# Altium PCB MCU014B_D1.PcbDoc (part 4 of 5)
Units mil, origin at the board's own origin, x right, y up, seen from the top; angles counter-clockwise.
Board outline 2300.04 x 4058 mil, 4 copper layers (TOP, GND, PWR, BOTTOM), stack 48.84 mil thick; 371 components, 238 nets, 1148 pads, 688 vias.
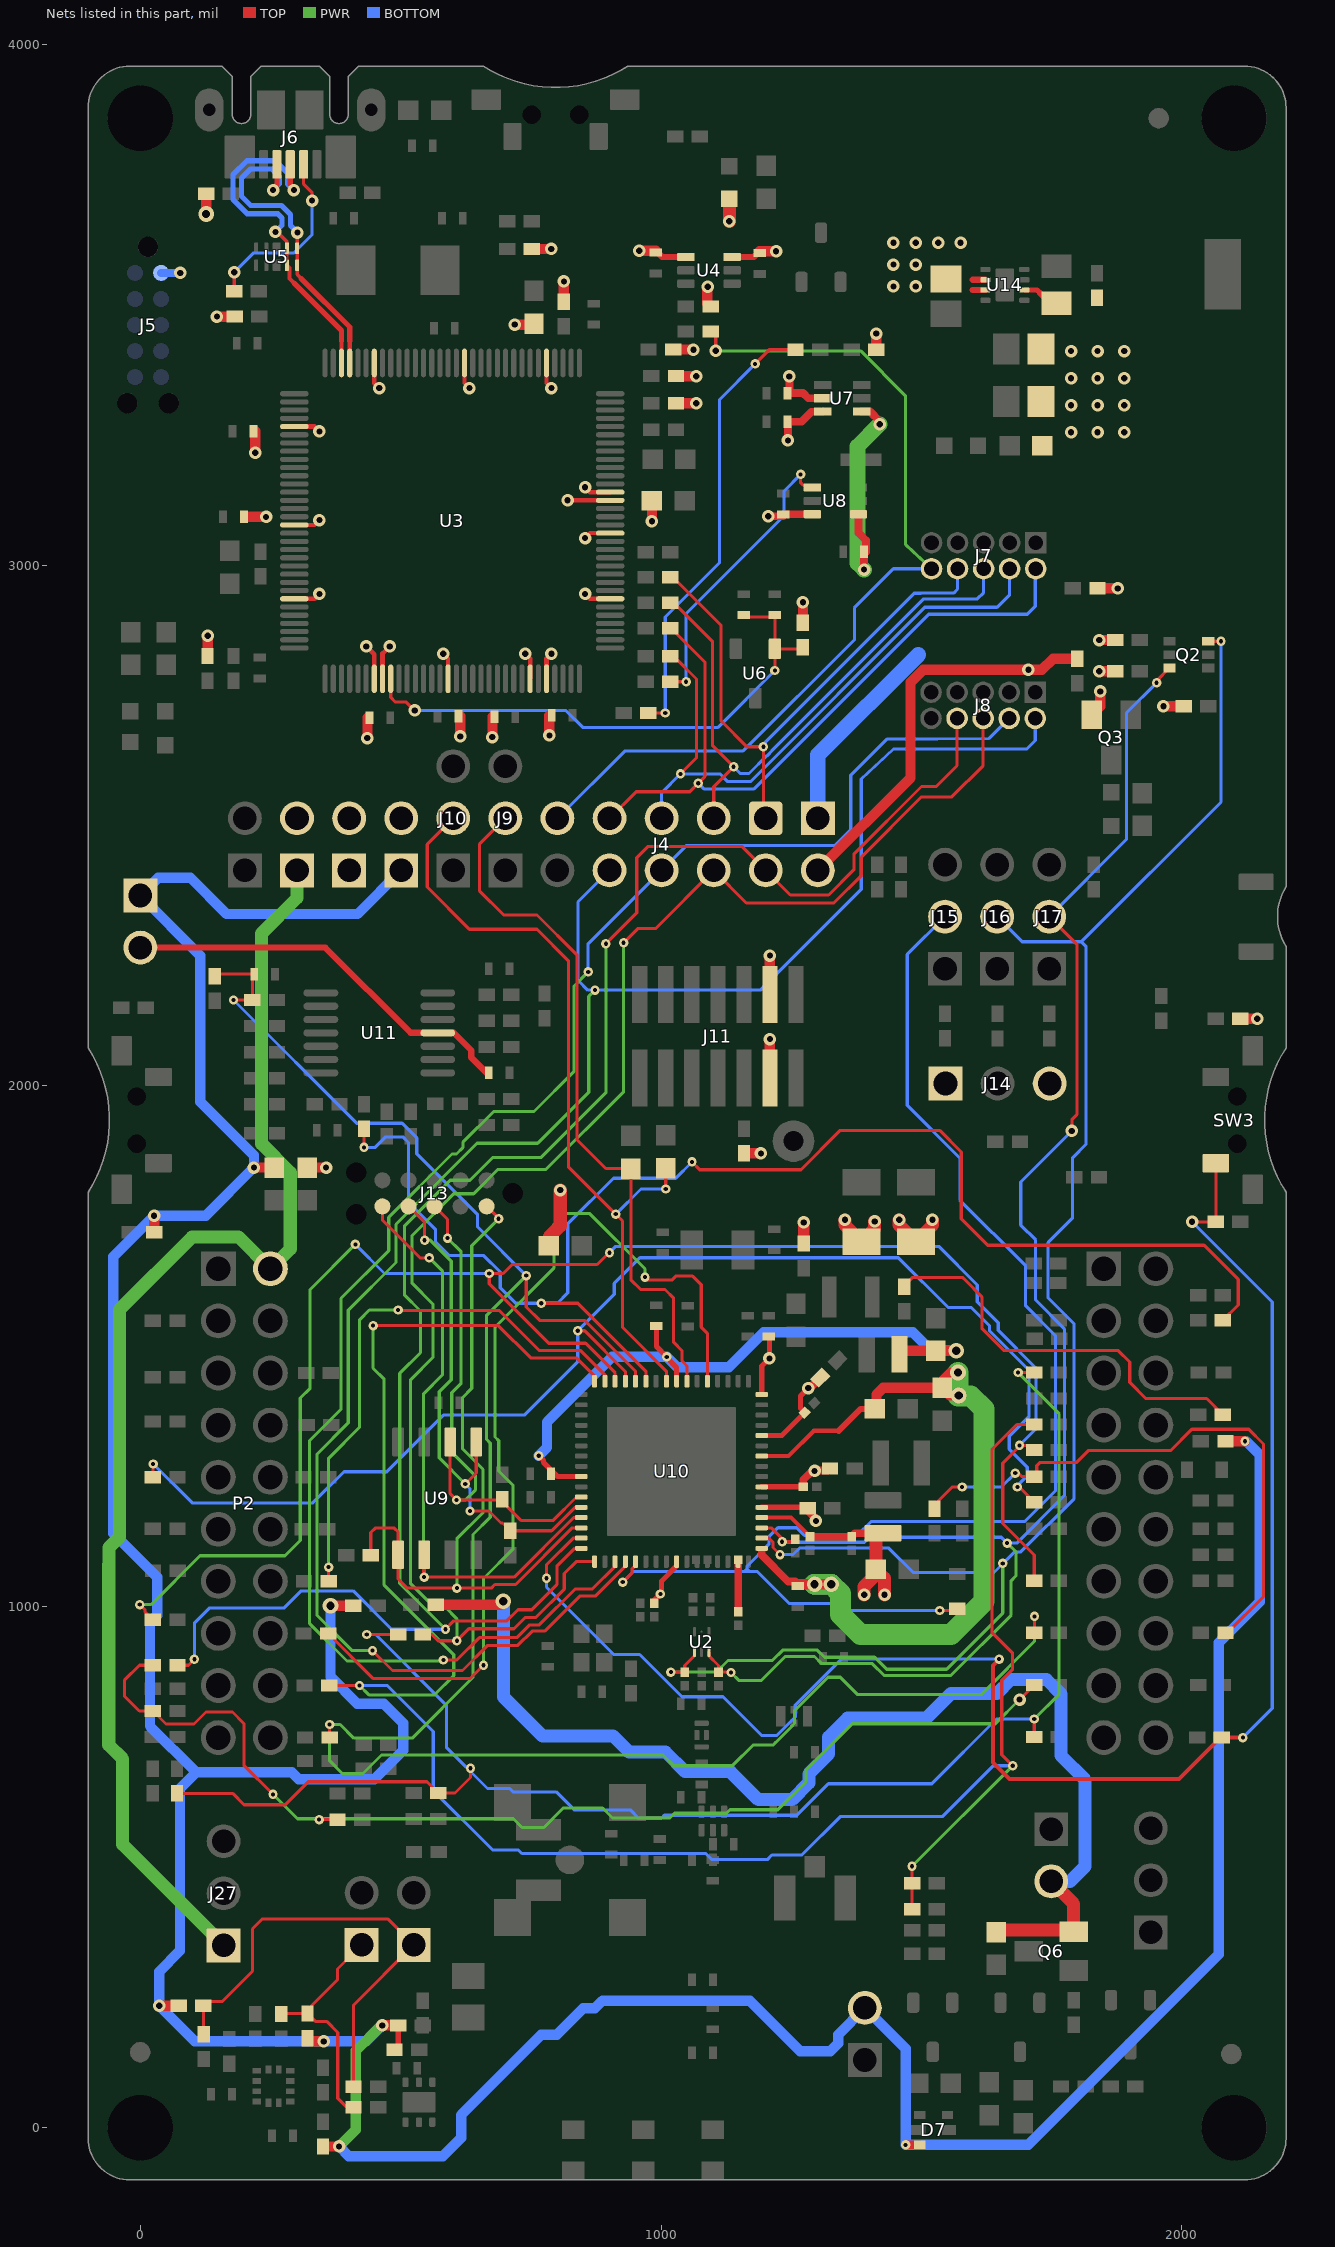
[diagram p6: the nets of this part, all layers, seen from the top]

## Via types
v1: diameter 24, hole 12, TOP to BOTTOM, tented both sides, 230 vias
v2: diameter 18, hole 8, TOP to BOTTOM, tented both sides, 218 vias
v3: diameter 20, hole 10, TOP to BOTTOM, tented both sides, 159 vias
v4: diameter 19.68, hole 7.87, TOP to BOTTOM, 32 vias
v5: diameter 20, hole 8, TOP to BOTTOM, tented both sides, 24 vias
v6: diameter 30, hole 16, TOP to BOTTOM, tented both sides, 17 vias
v7: diameter 20, hole 8, TOP to BOTTOM, tented bottom, 4 vias
v8: diameter 19.68, hole 7.87, TOP to BOTTOM, tented bottom, 4 vias

## Nets (pads, with @x,y where several pads share a name; then routed paths per layer and width w, separated by ;. In a path a pad name is that pad's centre, name@x,y a point inside that pad or via, vN(x,y) a via of type N, cw(c..) or ccw(c..) an arc to the next point about the centre after c; other vN are vias at no path point) (continued)
P15_GPIO_22: R95.2 R157.1 SW3.3 U10.15 | length 3157.5
  TOP w6: v2(780,1055) 780,1081 831.05,1132.05 U10.15@846.77,1132.05 ; v1(2019.38,1739.21) R157.1@2065.02,1739.21 SW3.3@2065.02,1851.92
  TOP w8: v2(1648.92,899.64) 1637,887.72 1637,701.43 1669.21,669.21 1994.21,669.21 2073.99,748.99 R95.2@2076.62,748.99 v2(2117,748.99)
  BOTTOM w6: v2(780,1055) 780,1037.78 909.2,908.58 958.85,908.58 1040,827.43 1118.93,827.43 1193.62,752.75 1221.64,752.75 1257.48,788.59 1257.48,811.22 1345.9,899.64 v2(1648.92,899.64) ; v1(2019.38,1739.21) 2173.35,1585.25 2173.35,805.34 v2(2117,748.99)
P16_GPIO_23: R50.2 R90.1 R108.1 R135.1 | length 2192
  TOP w6: R50.2@24.38,888 -1.31,888 -30.39,858.92 -30.39,828.81 -1.7,800.11 24.27,800.11 R108.1@24.38,800 49.38,775 103.2,775 126.2,798 177,798 199,776 199,696 v2(255,640) ; v2(343.38,591.52) R135.1@378.76,591.52 ; v1(1688.19,822.05) 1688.43,822.05 R90.1@1716.38,850
  PWR w6: v2(255,640) 301.93,593.07 716.7,593.07 733.6,576.17 774.55,576.17 812.06,613.68 887.7,613.68 906.78,594.59 1017.07,594.59 1026.15,603.67 1125.51,603.67 1132.35,610.52 1224.19,610.52 1278.19,664.52 1278.19,686.9 1366.84,775.55 1641.69,775.55 v1(1688.19,822.05)
P16_JTAG_TDI: J4.2 J8.8 R50.1 U10.16 | length 3672.8
  TOP w6: R50.1@71.62,888 92.65,888 v2(103.93,899.28) ; v2(586,957) 602,973 703.91,973 725.23,994.32 751.72,994.32 800,1042.6 800,1078 834.36,1112.36 U10.16@846.77,1112.36 ; v2(894,2273) 953.37,2332.37 953.37,2438.37 975,2460 1155,2460 J4.2@1201,2414 1248.27,2366.73 1321.73,2366.73 1370,2415 1370,2445 1500,2575 1528.24,2575 1568.24,2615 J8.8@1568.24,2705.73
  PWR w6: v2(586,957) 498.21,1044.79 498.21,1448.21 538,1488 538,1568 507,1599 507,1731 595,1819 633.14,1819 677.14,1863 770,1863 894,1987 v2(894,2273)
  BOTTOM w6: v2(103.93,899.28) 103.93,968.75 133.18,998 276.52,998 309.19,1030.67 408.69,1030.67 482.36,957 v2(586,957)
P17_GPIO_24: R54.2 R70.1 R94.1 R109.1 R142.1 | length 3026.1
  TOP w6: R109.1@70.4,641.89 177.43,641.89 199.33,620 278.43,620 322.64,664.21 550.55,664.21 R142.1@572.24,642.52 604.28,642.52 634.09,672.33 v2(634.09,690) ; v2(435,947) R54.2@495,947 ; v2(1685.45,1450) R70.1@1716.38,1450 ; R94.1@1716.38,750 v2(1716.38,784.6)
  PWR w6: v2@1685.45,1449.13 1764.17,1370.41 1764.17,832.39 v2(1716.38,784.6)
  BOTTOM w6: v2(435,947) 451.84,947 587.67,811.16 587.67,730.33 666.79,651.21 709.18,651.21 715.66,644.74 798.39,644.74 832.94,610.19 940.81,610.19 956.62,594.39 1000.84,594.39 1006.36,599.91 1260.74,599.91 1321.25,660.42 1519.8,660.42 1643.97,784.6 v2(1716.38,784.6)
P17_JTAG_TDO: J4.4 J8.6 R54.1 U10.17 | length 3077.9
  TOP w6: R54.1@542.24,947 560,947 572,935 v2(608,935) 631,958 717.48,958 739.1,979.62 759.62,979.62 814,1034 814,1064 836.77,1086.77 U10.17@872.36,1086.77 ; v2(928,2275) 955.21,2302.21 989.21,2302.21 J4.4@1101,2414 1163.64,2351.36 1331.62,2351.36 1385,2404.75 1385,2440 1500,2555 1558.24,2555 1618.24,2615 J8.6@1618.24,2705.73
  PWR w6: v2(608,935) 608,977 586,999 564.43,999 519.21,1044.22 519.21,1436.21 562,1479 562,1581 522,1621 522,1713 602,1793 640,1793 687,1840 779,1840 928,1989 v2(928,2275)
P19_JTAG_TCK: J4.6 J8.4 U10.19 | length 3325.3
  TOP w6: v2(582,898) 608,898 651,941 723.12,941 747.49,965.37 766.37,965.37 835.22,1034.21 867.82,1034.21 911.73,1078.12 U10.19@911.73,1086.77
  PWR w6: v2(582,898) 580,896 397,896 325.31,967.69 325.31,1319.31 385.34,1379.34 385.34,1592.34 477,1684 477,1747.76 598.68,1869.44 607.19,1869.44 619.49,1881.74 619.49,1891.75 678.75,1951 756,1951 833,2028 833,2192 v2(860,2219)
  BOTTOM w6: v2(860,2219) 860,2273 J4.6@1001,2414 1049,2462 1334.14,2462 1364.21,2492.07 1364.21,2596.57 1433.43,2665.79 1629.85,2667.34 J8.4@1668.28,2705.77
P20_JTAG_TMS: J4.8 J8.2 U10.20 | length 3702.6
  TOP w6: v2(446,916) 484.25,877.75 618.75,877.75 667,926 725.09,926 752.46,953.37 776.31,953.37 843.48,1020.54 873.78,1020.54 931.42,1078.18 U10.20@931.42,1086.77
  PWR w6: v2(446,916) 407,916 339.31,983.69 339.31,1293.31 399.41,1353.41 399.41,1569.41 491,1661 491,1734.42 646.58,1890 763,1890 861,1988 861,2172 v2(873,2184)
  BOTTOM w6: J4.8@901,2414 840.57,2353.57 840.57,2202.89 859.47,2184 v2(873,2184) 1190.58,2184 1384.21,2377.64 1384.21,2589.33 1446.05,2647 1701.9,2647 1718.28,2663.38 J8.2@1718.28,2705.77
P21_GPIO_25: R55.2 R75.1 R87.2 | length 1123.7
  TOP w6: R55.2@1525,1188.62 1525,1196 1559,1230 v2(1578,1230) ; v2(1679.81,1256.81) 1686.19,1256.81 1693,1250 R75.1@1716.38,1250 1721.1,1250 1721.1,1271.1 1727,1277 1797,1277 1820,1300 1978.09,1300 2019.09,1341 2128.2,1341 2156.66,1312.53 2156.66,1019.63 2087.03,950 R87.2@2083.62,950
  BOTTOM w6: v2(1578,1230) 1653,1230 v2(1679.81,1256.81)
P45_GPIO_31: R47.1 R73.2 | length 787.5
  TOP w6: R47.1@1467,1614.62 1467,1617 1482,1632 1579.39,1632 1583.98,1627.4 1615.89,1595.15 1615.89,1534.77 1658.69,1491.97 1877.78,1491.97 1899.79,1469.96 1899.79,1430.89 1930.54,1400.14 2047.48,1400.14 R73.2@2078.62,1369
P53_GPIO_30: R97.2 U10.53 | length 1830.2
  TOP w6: R97.2@360.62,949 447.52,862.1 633.1,862.1 v2(659,888) ; v2(969,1633) 974.62,1627.38 1020.38,1627.38 1028,1635 1060.53,1635 1077,1618.53 1077,1537 1088.9,1525.1 U10.53@1088.9,1433.23
  PWR w6: v2(659,888) 659,1054.57 716,1111.57 716,1233 688.21,1260.79 688.21,1318.91 681,1326.13 681,1537 794.21,1650.21 794.21,1734.21 815,1755 863,1755 969,1649 v2(969,1633)
P55_GPIO_01: J9.2 R39.1 U10.55 | length 1359.7
  TOP w6: J9.2@701,2514 651,2464 651,2375.1 697.69,2328.41 761.81,2328.41 838.21,2252.01 838.21,1897.21 893.92,1841.5 R39.1@942,1841.5 942,1628 960.63,1609.37 1007.36,1609.37 1024,1592.74 1024,1508 1040,1492 1040,1472.26 1045.84,1466.42 1045.84,1466.16 1049.53,1462.47 U10.55@1049.53,1433.23
P57_GPIO_02: J10.2 R38.1 U10.57 | length 1523.9
  TOP w5.98: 822,1845 822,2240.73
  TOP w6: J10.2@601,2514 551,2464 551,2381.98 631.96,2301.01 761.71,2301.01 822,2240.73 ; 822,1845 v2(913,1754) 926,1741 926,1536.72 1010.16,1452.56 U10.57@1010.16,1433.23 ; v2(1009,1802.32) R38.1@1009,1842.5
  BOTTOM w6: v2(913,1754) 961.32,1802.32 v2(1009,1802.32)
P59_GPIO_04: R65.2 R125.2 U10.59 | length 2739.8
  TOP w6: v2(429.54,1882.2) 429.64,1882.3 R125.2@429.64,1917.76 ; v2(770,1583) 840.12,1583 970.79,1452.33 U10.59@970.79,1433.23 ; v2(1059.21,1854.21) 1074.21,1839.21 1268.51,1839.21 1344.06,1914.76 1534.66,1914.76 1576.21,1873.21 1576.21,1745 1627,1694.21 2042.58,1694.21 2108.14,1628.66 2108.14,1579.52 R65.2@2078.62,1550
  BOTTOM w6: v2(429.54,1882.2) 451.24,1882.2 471.42,1902.38 503.93,1902.38 514.92,1891.38 514.92,1776.53 567.16,1724.28 567.16,1700.61 593.56,1674.21 659.83,1674.21 691.15,1642.89 691.15,1612.46 720.61,1583 v2(770,1583) 801.03,1583 820.79,1602.76 820.79,1735.25 908.49,1822.95 1027.95,1822.95 v2(1059.21,1854.21)
P60_GPIO_05: C71.1 R86.1 R106.2 R113.1 R114.2 U10.60 | length 4170.6
  TOP w6: R113.1@143,2210.62 147.38,2215 215.38,2215 R114.2@215.38,2165 v2(179,2165) ; R106.2@363.62,749 v2(363.62,774.21) ; v2(741.02,1636) 741.02,1575.72 766.73,1550 853.02,1550 951.1,1451.92 U10.60@951.1,1433.23 ; R86.1@1716.38,950 1716.94,950.56 v2(1716.94,981.63)
  PWR w6: v2(741.02,1636) 665,1560 665,1321.43 672,1314.43 672,1171.8 639,1138.8 639,864.73 522.15,747.88 410.21,747.88 383.88,774.21 v2(363.62,774.21) 363.62,704.26 387.74,680.14 427.73,680.14 463.09,715.51 1003.61,715.51 1024.25,694.87 1136.68,694.87 1176.37,734.56 1214.73,734.56 1220.25,740.08 1220.59,740.08 1249.7,769.19 1249.7,769.53 1256.18,776.01 1256.18,800.53 1320.52,864.87 1344.16,864.87 1377.66,831.37 1614.58,831.37 1716.94,933.73 v2(1716.94,981.63)
  BOTTOM w6: v2(179,2165) 415.48,1928.52 502.87,1928.52 530.89,1900.49 530.89,1869.8 647.85,1752.84 647.85,1729.16 v2(741.02,1636)
P61_GPIO_06: R84.1 R107.1 U10.61 | length 2525.5
  TOP w6: R84.1@24.81,1249.03 v2(24.81,1274.24) ; v2(840,1530) 853.2,1530 931.42,1451.78 U10.61@931.42,1433.23 ; v2(1684,1230) 1687.38,1230 R107.1@1716.38,1201
  BOTTOM w6: v2(24.81,1274.24) 99.52,1199.53 331.3,1199.53 391.11,1259.35 473.35,1259.35 582,1368 737.28,1368 840,1470.72 ; 840,1470.08 840,1470.72 ; v2@1685,1230 v2(1684,1230) 1684,1232.72 1703,1251.72 1703,1268.28 1668.45,1302.83 1668.45,1327.67 1706.59,1365.81 1706.59,1453.89 1630.82,1529.66 1630.82,1539.22 1595.05,1575 1550.93,1575 1455.62,1670.31 959.32,1670.31 910,1621 910,1600.01 v2(840,1530) 840,1470.72
P62_GPIO_07: R82.1 R96.1 R103.1 U10.62 | length 3326.2
  TOP w6: v2(-0.79,1004.21) 9.4,994.03 9.4,989.98 R96.1@24.38,975 ; v2(901,1680) 900,1680 877.21,1657.21 713.93,1657.21 696.72,1640 v2(670,1640) 670,1620 784,1506 855,1506 911.7,1449.3 U10.62@911.73,1433.23 ; R82.1@1716.38,1050 1716.38,1099.62 1656,1160 1656,1276 1690,1310 1707.38,1310 R103.1@1716.38,1301
  PWR w6: v2(-0.79,1004.21) 21.01,1004.21 114.8,1098 278,1098 307.31,1127.31 307.31,1400.91 326.21,1419.81 326.21,1609.21 v2(413,1696)
  BOTTOM w6: v2(413,1696) 469,1640 v2(670,1640) ; v2(901,1680) 913,1692 1533,1692 1607,1618 1607,1585.82 1647.25,1545.57 1647.25,1530.79 1719.82,1458.22 1719.82,1341.82 v2(1688,1310)
P63_GPIO_08: R93.2 U10.63 | length 1069.6
  TOP w6: R93.2@361.62,1049 v2(361.62,1076.38) ; v2(495,1570) 496,1569 689.42,1569 766.42,1492 846,1492 892.05,1445.95 U10.63@892.05,1433.23
  PWR w6: v2(361.62,1076.38) 361.62,1285.62 421.21,1345.21 421.21,1551.21 440,1570 v2(495,1570)
P64_GPIO_09: R72.1 R99.2 R168.1 R171.1 U10.64 | length 4105.4
  TOP w6: R99.2@362.62,849 v2(421,849) ; v2(447,1540) 687.43,1540 749.43,1478 837.08,1478 872.33,1442.75 U10.64@872.33,1433.23 ; R168.1@1481.81,419.21 R171.1@1481.81,469.21 v2(1481.81,502.06) ; v2(1675,695) 1654,716 1654,859 1675,880 1675,910.96 1635,950.96 1635,1302 1683,1350 R72.1@1716.38,1350
  PWR w6: v2(421,849) 439,831 565,831 602,868 602,908 468.21,1041.79 468.21,1437.21 447,1458.43 v2(447,1540) ; v2@1481.81,501.81 v2(1675,695)
  BOTTOM w6: v2(421,849) 474.16,849 562.56,760.6 562.56,647.22 676.73,533.05 726.01,533.05 732.59,526.46 1085.9,526.46 1097.73,514.64 1203.93,514.64 1212.76,523.47 1270.03,523.47 1343.74,597.18 1539.97,597.18 1637.79,695 v2(1675,695)
RF_BG: pad.2@1148.06,1090.22 R1.2 U10.31 | length 99.5
  TOP w15: R1.2@1148.06,990.76 1147.95,990.87 U10.31@1147.95,1086.77 1147.95,1090.11 pad.2@1148.06,1090.22
SENS_I2C_SCL: J19.1 R134.2 R147.1 R149.1 | length 462.3
  TOP w5.98: 379.21,111.79 379.21,56.34 396.18,39.37 R149.1@409.45,39.37
  TOP w6: R147.1@271,218.24 272,219.24 R134.2@321,219.24 ; 379.21,111.79 379.21,182.83 357.96,204.08 336.16,204.08 R134.2@321,219.24 ; J19.1@425,351 378.65,304.65 378.65,284.06 321,226.41 R134.2@321,219.24
SENS_I2C_SDA: J20.1 R133.2 R145.1 R148.1 | length 916.3
  TOP w5.98: R148.1@409.64,78.93 409.64,131.83
  TOP w6: R145.1@122,179.24 121.1,180.14 R133.2@121.1,234 129.53,242.43 157.43,242.43 215.66,300.66 215.66,381.81 234.86,401 475,401 J20.1@525,351 409.64,235.64 409.64,131.83
SFL_CLK: J13.8 R45.1 U9.6 U10.11 | length 1037.8
  TOP w6: J13.8@565,1769 590,1744 v2(590,1708) ; U9.6@595,1316.49 595,1217.4 v2(607.24,1205.16) 691.65,1205.16 R45.1@695,1201.81 ; R45.1@690.8,1210.58 R45.1@695,1206.38 R45.1@695,1201.81 ; U10.11@846.77,1210.79 837.67,1210.79 792.86,1165.98 730.83,1165.98 R45.1@695,1201.81
  PWR w6: v2(590,1708) 616,1682 616,1429 598,1411 598,1297 644,1251 644,1225 624.16,1205.16 v2(607.24,1205.16)
SFL_CS: J13.10 R44.2 U9.1 U10.14 | length 1407.8
  TOP w6: R44.2@442.62,1099 442.62,1142.62 451.11,1151.11 487.91,1151.11 495,1144.03 U9.1@495,1099.95 495,1053.62 512.62,1036 v2(608,1036) 673.8,1036 680.8,1043 720.8,1043 829.53,1151.73 U10.14@846.77,1151.73 ; J13.10@665,1769 688,1746 v2(688,1745)
  PWR w6: v2(608,1036) 608,1130.72 658,1180.72 658,1264 619,1303 619,1402 636.41,1419.41 636.41,1693.41 v2(688,1745)
SFL_DIN: J13.6 U9.2 U10.13 | length 1177.1
  TOP w6: J13.6@465,1769 465,1742.15 537.15,1670 v2(555,1670) ; v2(545,1057) 717.83,1057 832.25,1171.42 U10.13@846.77,1171.42
  TOP w8: v2(545,1057) U9.2@545,1099.95
  PWR w6: v2@544,1057 544,1409.2 580,1445.2 580,1645 v2(555,1670)
SFL_DOUT: J13.7 R46.1 U9.5 U10.12 | length 996.6
  TOP w6: J13.7@515,1769 546,1738 v2(546,1704) ; v2(624,1236) 645,1257 U9.5@645,1316.49 ; v2(633,1184) 669.53,1184 692.57,1160.96 695.57,1160.96 R46.1@710.53,1146 789.86,1146 834.96,1191.1 U10.12@846.77,1191.1
  PWR w6: v2(546,1704) 556.76,1704 597,1663.76 597,1436 574,1413 574,1286 v2(624,1236)
  BOTTOM w6: v2(624,1236) 633,1227 v2(633,1184)
SOP0: C14.1 C68.1 J17.2 Q2.3 U2.6 U10.35 | length 3307.1
  TOP w6: U2.6@1091.58,912.93 1091.58,905.99 1110.31,887.27 C14.1@1110.31,874.7 1136.91,874.7 1136.18,873.98 v2(1134.32,873.98) ; U10.35@1193.23,1151.73 1211.76,1151.73 1232.4,1131.09 v2(1232.4,1124.92) 1252.43,1124.92 C68.1@1257.24,1129.73 ; J17.2@1745.12,2325.12 1798.3,2271.94 1798.3,1945 1788.62,1935.32 v1(1788.62,1913.62) ; v2(1951.3,2774.2) 1951.3,2778.01 Q2.3@1975.9,2802.61
  PWR w6: v2(1134.32,873.98) 1149.93,858.37 1191.74,858.37 1238.04,904.67 1294.58,904.67 1308.21,891.04 1405.46,891.04 1428.41,868.09 1555.99,868.09 1671.97,984.07 1671.97,1050.23 1681.25,1059.51 1681.25,1105.49 v2(1664.35,1122.39)
  BOTTOM w6: v2@1233.76,1130.82 1240.43,1124.15 1389.96,1124.15 1399.34,1133.52 1653.22,1133.52 v2(1664.35,1122.39) 1682.78,1122.39 1774.25,1213.86 1774.25,1533.75 1719,1589 1719,1704.49 1690.55,1732.94 1690.55,1815.56 v1(1788.62,1913.62) ; J17.2@1745.12,2325.12 1893.5,2473.5 1893.5,2716.4 v2(1951.3,2774.2)
SOP1: C15.1 J16.2 Q2.6 U2.4 U10.34 | length 3602.7
  TOP w6: v2(1018.71,874.7) C15.1@1045.31,874.7 1045.31,887.27 1064.03,905.99 U2.4@1064.03,912.93 ; U10.34@1193.23,1132.05 1206.86,1132.05 1214.79,1124.12 1214.79,1113.83 v2(1228.23,1100.39) ; Q2.6@2050.7,2853.79 v2(2075.02,2853.79)
  PWR w6: v2(1018.71,874.7) 1106.13,874.7 1128.54,897.11 1213.43,897.11 1233.32,917 1299.97,917 1313.83,903.14 1409.91,903.14 1432.9,880.14 1548.25,880.14 1655.98,987.87 v2(1655.98,1083.52)
  BOTTOM w6: v2(1228.23,1100.39) 1253.22,1100.39 1265.66,1112.82 1437.09,1112.82 1483.91,1066 1639.22,1066 1678.7,1105.48 1690.76,1105.48 1792.99,1207.7 1792.99,1543.02 1743,1593 1743,1699.72 1790.15,1746.87 1790.15,1862.31 1815.61,1887.77 1815.61,2268.27 1806.99,2276.89 ; J16.2@1645.12,2325.12 1693.35,2276.89 1806.99,2276.89 ; v2(2075.02,2853.79) 2075.02,2544.92 1806.99,2276.89
SOP2: D4.2 J15.2 U10.21 | length 2681.6
  TOP w6: v2(926.27,1047.58) 944.42,1065.73 944.42,1073.35 951.1,1080.03 U10.21@951.1,1086.77 ; v2(1535,993) 1565.69,993 D4.2@1568.87,996.17
  BOTTOM w6: v2(926.27,1047.58) 946.69,1068 1159.63,1068 ; v2(1535,993) 1534.75,992.75 1355.81,992.75 1342.38,1006.18 1246.46,1006.18 1184.63,1068 1170.37,1068 ; J15.2@1545.12,2325.12 1472.69,2252.69 1472.69,1962.69 1573.54,1861.85 1573.54,1780.85 1699.8,1654.59 1699.8,1648.25 1699.84,1648.2 1699.84,1634.12 1699.8,1634.07 1699.8,1578.21 1757.28,1520.72 1757.28,1222.78 1698.5,1164 1403.21,1164 1376.59,1137.38 1275.03,1137.38 1260.49,1151.92 1224.09,1151.92 1206.89,1134.72 1206.89,1119.89 1165,1078 1165,1073.37 ; 1159.63,1068 1165,1068 ; 1159.63,1068 1165,1073.37 ; 1165,1068 1170.37,1068 ; 1165,1068 1165,1073.37 ; 1165,1073.37 1170.37,1068
VBAT_CC: C42.1 C43.1 C44.1 C45.1 C46.1 C81.1 C82.1 J11.3 J11.4 J12.2 J14.1 J24.1 Q6.2 R37.2 R40.2 R43.2 R48.2 R64.1 R166.2 U10.37 U10.39 U10.44 | length 3349.7
  TOP w10: U10.37@1193.23,1191.1 1279.78,1191.1 C42.1@1281.38,1189.5 ; U10.39@1193.23,1230.47 C44.1@1272.79,1230.47 ; U10.44@1193.23,1328.9 1231.58,1328.9 C46.1@1275.68,1373 1267.51,1381.17 1267.51,1404.91 v1(1282.74,1420.13)
  TOP w15.01: C44.1@1272.79,1230.47 1272.79,1243.72 1290.02,1260.95 v1(1294.56,1260.95) 1295.4,1261.79 1320.39,1261.79 C43.1@1324.29,1265.69 ; C42.1@1281.38,1189.5 1281.38,1184.5 1297.32,1168.55 v1(1297.32,1165.01) ; v1(1282.74,1420.13) 1285.75,1420.13 C45.1@1305.62,1440
  TOP w19.9: R64.1@321,1843.5 v1(356.7,1843.5) ; R43.2@567.01,1004 690,1004 v6(697,1011) ; R37.2@1159.21,1870.59 v1(1191.67,1870.59)
  TOP w20: J11.4@1209,2015.2 v1(1209,2090.12) ; J11.3@1209,2175.43 v1(1209,2250.35)
  TOP w22: R48.2@1274,1697.62 v1(1274,1738)
  TOP w25: R40.2@784.5,1693 784.5,1709.5 806.38,1731.38 v1(806.38,1800.18) ; v1(1353,1743) 1353,1732.91 C82.1@1385,1700.91 1410,1725.91 v1(1410,1740) ; v1(1457,1743) 1457,1732.91 C81.1@1489,1700.91 1521,1732.91 v1(1521,1743) ; R166.2@1643.9,375.72 1647.59,379.41 1789.42,379.41 Q6.2@1792.2,376.63 1792.2,429.8 J12.2@1749,473
  BOTTOM w25: v6(697,1011) 697,827.29 771.96,752.33 907.57,752.33 938.64,721.25 1008.51,721.25 1046.07,683.7 1133.01,683.7 1186.75,629.96 1251.68,629.96 1283.73,662 1283.73,679.28 1321.8,717.36 1321.8,750.17 1358.01,786.38 1509.15,786.38 1556.16,833.39 1644.74,833.39 1671.83,860.47 1739.89,860.47 1767.37,833 1767.37,714.66 1814,668.03 1814,501.67 1785.33,473 J12.2@1749,473
VBUS_USB1: C80.1 J23.2 L5.2 R8.1 R15.1 U14.2 U14.3 | length 161.1
  TOP w12: 1598.13,3528.16 U14.3@1622.6,3528.16 ; 1598.43,3547.84 U14.2@1622.6,3547.84
  TOP w20: v6(126.38,3674.04) L5.2@126.38,3713 ; R15.1@129,2825.62 129.38,2826 v1(129.38,2864.62) ; v1(147.21,3477.21) R8.1@181.59,3477.21
  other v1: 1446,3535 1489,3535 1446,3577 1489,3577 1446,3619 1489,3619 1532,3619 1575,3619
VCC_5V: J23.1 J27.1 P2.2 | length 2524.6
  PWR w25: J27.1@160,350 -33.84,543.84 -33.84,708.22 -60.46,734.83 -60.46,1080.83 -60.29,1081 -60.29,1113.65 -40.09,1133.84 -40.09,1570.14 99.76,1710 188.91,1710 P2.2@249.91,1649 288,1687.09 288,1834 233.21,1888.79 233.21,2293.21 301,2361 J23.1@301,2414
VCC_BRD: D7.1 J14.3 J18.1 J21.1 J22.2 J25.2 Q3.2 R35.1 R42.2 R66.1 R130.2 R131.2 R133.1 R134.1 R138.2 R150.1 R151.1 R152.1 R153.2 R154.2 R155.2 | length 9252.5
  TOP w10: R130.2@488.19,149.61 495.3,156.72 R138.2@495.3,196.35
  TOP w15.75: v2@1469.81,-32.87 D7.1@1496.77,-32.87
  TOP w19.9: R150.1@26.62,1719 v1(26.62,1750.81) ; v1(218.3,1843.5) R66.1@257,1843.5 ; v6(365.31,1002) R42.2@408.68,1002 ; J22.2@1301,2414 1478.95,2591.95 1478.95,2774.89 1502.97,2798.91 v1(1705.21,2798.91) ; Q3.2@1826.81,2712.52 1843.15,2728.86 v1(1843.15,2757.55) ; R152.1@2083.62,1318 v2(2121,1318) ; R151.1@2112.26,2129.21 v1(2144.72,2129.21)
  TOP w20: v1(36.38,234) R133.1@73.86,234 ; R134.1@321,172 327,166 351.83,166 v1(352.1,165.72) ; R131.2@351,-36 v1(381.62,-36) ; v1(464.73,196.35) R138.2@495.3,196.35 ; v1(1705.21,2798.91) 1731.11,2798.91 1752.82,2820.62 R35.1@1799.13,2820.62 ; v1(1841.3,2796.2) R153.2@1871.68,2796.2 ; v1(1841.3,2856.2) R155.2@1871.68,2856.2 ; v1(1964.44,2729.21) R154.2@2003.46,2729.21
  PWR w19.84: 414.44,148.24 v1@463.64,197.45